# KiCad board rgbwstrip120_250_panel.kicad_pcb (continued)
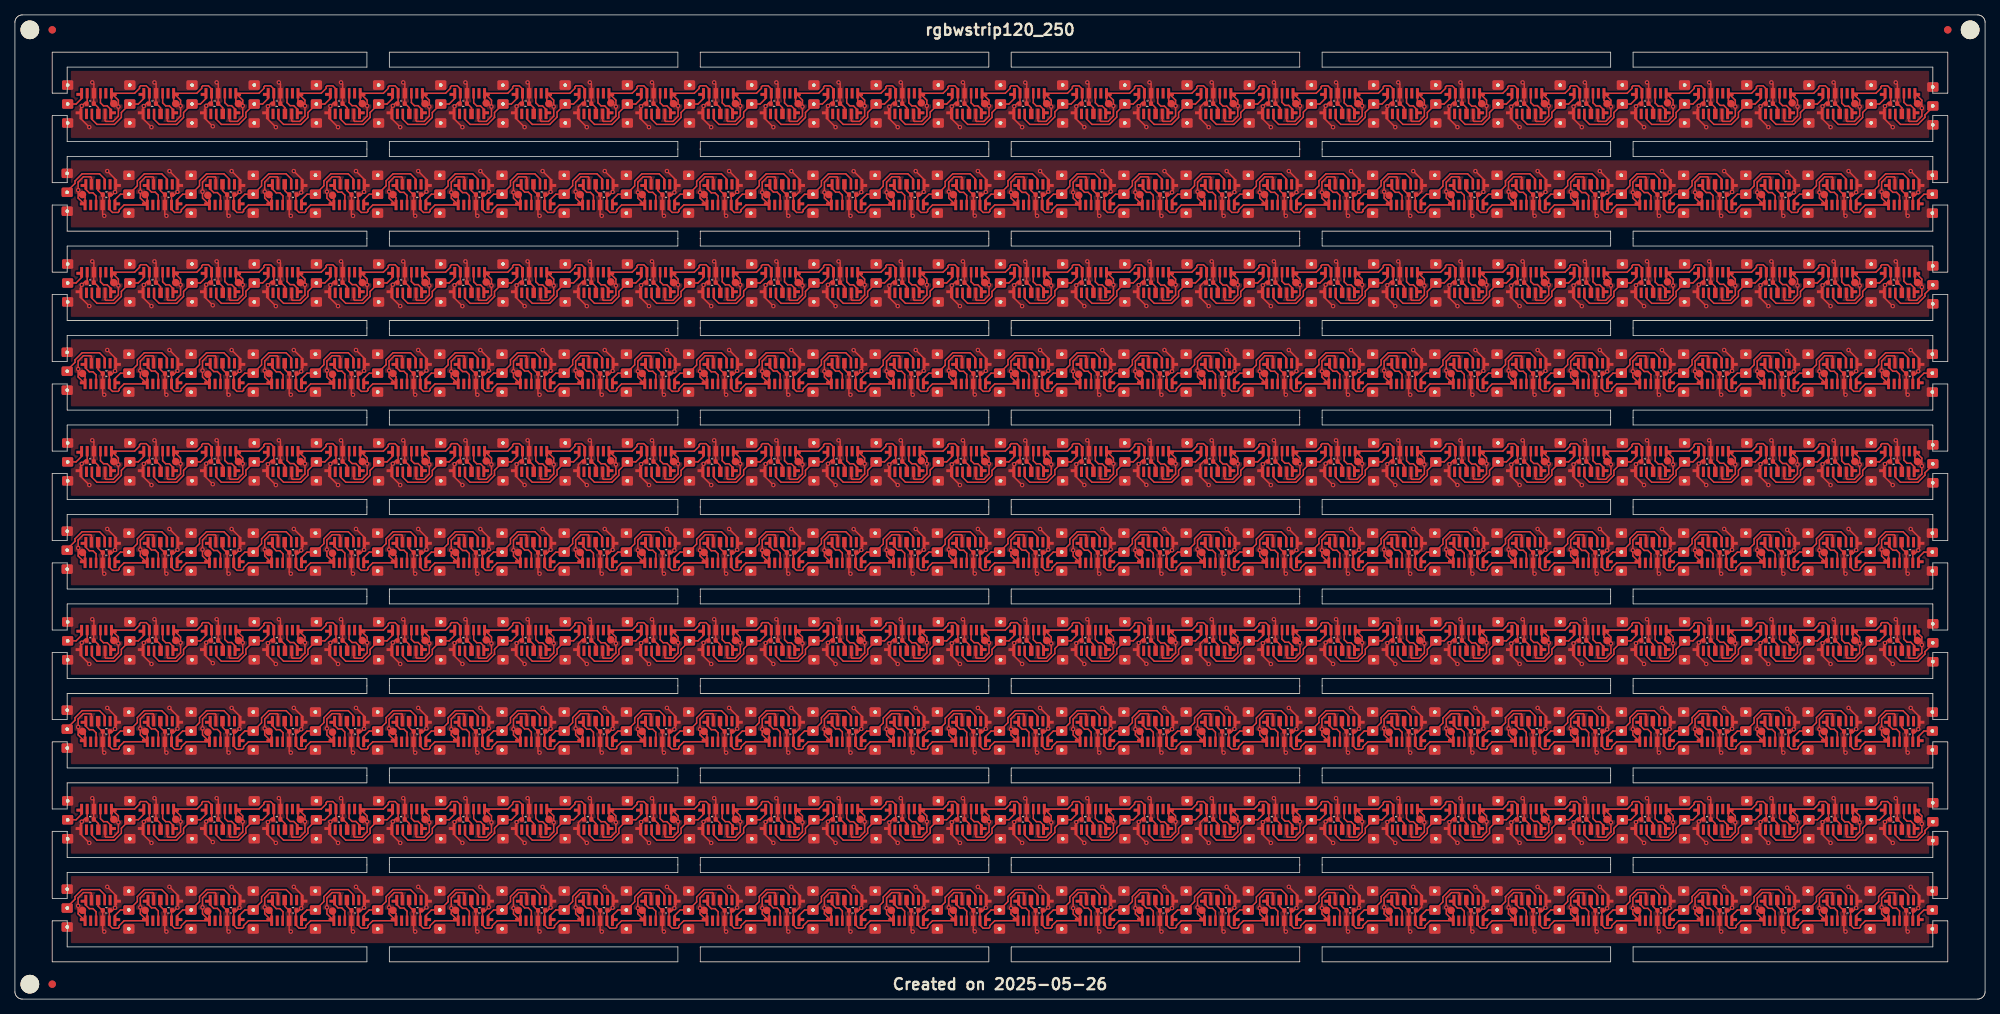
[diagram p0: board, top side]
## Routing (per net, layer and track width the routed paths; a pad name or vN(x,y) marks a point on that pad's centre or on a via; arc(x,y) is an arc through that point) (continued)
Board_5-GND: length 133.9
  Top w0.2: v1(170.3,57.05) 170.08,57.27 U22#5.4 170.1,58.53 170.1,59.83 169.48,60.45 169.48,61.16 ; v1(236.97,57.05) 236.75,57.27 U6.4 236.77,58.53 236.77,59.83 236.15,60.45 236.15,61.16 ; 202.82,61.16 202.82,60.45 203.44,59.83 203.44,58.53 U14#10.4 203.42,57.27 v1(203.64,57.05) ; v1(228.64,57.05) 228.42,57.27 U8#10.4 228.44,58.53 228.44,59.83 227.82,60.45 227.82,61.16 ; v1(120.3,57.05) 120.08,57.27 U34#3.4 120.1,58.53 120.1,59.83 119.48,60.45 119.48,61.16 ; 127.82,61.16 127.82,60.45 128.44,59.83 128.44,58.53 U32#10.4 128.42,57.27 v1(128.62,57.07) 128.64,57.05 ; 177.82,61.16 177.82,60.45 178.44,59.83 178.44,58.53 U20#6.4 178.42,57.27 v1(178.64,57.05) ; 219.48,61.16 219.48,60.45 220.1,59.83 220.1,58.53 U10#3.4 220.08,57.27 v1(220.3,57.05) ; v1(86.97,57.05) 86.75,57.27 U42#10.4 86.77,58.53 86.77,59.83 86.15,60.45 86.15,61.16 ; v1(53.64,57.05) 53.42,57.27 U50#5.4 53.44,58.53 53.44,59.83 52.82,60.45 52.82,61.16 ; v1(161.97,57.05) 161.75,57.27 U24#6.4 161.77,58.53 161.77,59.83 161.15,60.45 161.15,61.16 ; v1(153.64,57.05) 153.42,57.27 U26#5.4 153.44,58.53 153.44,59.83 152.82,60.45 152.82,61.16 ; v1(45.3,57.05) 45.08,57.27 U52#3.4 45.1,58.53 45.1,59.83 44.48,60.45 44.48,61.16 ; 136.15,61.16 136.15,60.45 136.77,59.83 136.77,58.53 U30#10.4 136.75,57.27 v1(136.97,57.05) ; 194.48,61.16 194.48,60.45 195.1,59.83 195.1,58.53 U16#10.4 195.08,57.27 v1(195.3,57.05) ; 19.48,61.16 19.48,60.45 20.1,59.83 20.1,58.53 U58#2.4 20.08,57.27 v1(20.3,57.05) 20.3,57.05 ; 27.82,61.16 27.82,60.45 28.44,59.83 28.44,58.53 U56#10.4 28.42,57.27 v1(28.64,57.05) ; 244.48,61.16 244.48,60.45 245.1,59.83 245.1,58.53 U4#5.4 245.08,57.27 v1(245.3,57.05) ; v1(186.97,57.05) 186.75,57.27 U18#7.4 186.77,58.53 186.77,59.83 186.15,60.45 186.15,61.16 ; v1(36.97,57.05) 36.75,57.27 U54.4 36.77,58.53 36.77,59.83 36.15,60.45 36.15,61.16 ; v1(211.97,57.05) 211.75,57.27 U12#7.4 211.77,58.53 211.77,59.83 211.15,60.45 211.15,61.16 ; 69.48,61.16 69.48,60.45 70.1,59.83 70.1,58.53 U46#9.4 70.08,57.27 v1(70.3,57.05) ; v1(253.64,57.05) 253.42,57.27 U2#10.4 253.44,58.53 253.44,59.83 252.82,60.45 252.82,61.16 ; v1(145.3,57.05) 145.08,57.27 U28#2.4 145.1,58.53 145.1,59.83 144.48,60.45 144.48,61.16 ; 94.48,61.16 94.48,60.45 95.1,59.83 95.1,58.53 U40#10.4 95.08,57.27 v1(95.3,57.05) ; 111.15,61.16 111.15,60.45 111.77,59.83 111.77,58.53 U36#8.4 111.75,57.27 v1(111.97,57.05) ; 11.15,61.16 11.15,60.45 11.77,59.83 11.77,58.53 U60#6.4 11.75,57.27 v1(11.97,57.05) ; 77.82,61.16 77.82,60.45 78.44,59.83 78.44,58.53 U44#2.4 78.42,57.27 v1(78.64,57.05) ; 61.15,61.16 61.15,60.45 61.77,59.83 61.77,58.53 U48#7.4 61.75,57.27 v1(61.97,57.05) ; v1(103.64,57.05) 103.42,57.27 U38#2.4 103.44,58.53 103.44,59.83 102.82,60.45 102.82,61.16
Board_5-Net-(J1-Pin_2): length 2.8
  Top w0.2: 256.84,59.95 255.81,59.95 255.07,59.21 U2#10.6
Board_5-Net-(J2-Pin_2): length 10.4
  Top w0.2: 248.5,59.95 247.47,59.95 246.73,59.21 U4#5.6 ; J2.2 249.74,61.09 249.74,61.75 250.67,62.68 253.01,62.68 253.69,62 253.69,61.28
Board_5-Net-(J3-Pin_2): length 10.4
  Top w0.2: J3#5.2 241.4,61.09 241.4,61.75 242.34,62.68 244.67,62.68 245.35,62 245.35,61.28 ; U6.6 238.4,59.21 239.14,59.95 240.17,59.95
Board_5-Net-(J4-Pin_2): length 10.4
  Top w0.2: U8#10.6 230.07,59.21 230.81,59.95 231.84,59.95 ; 237.02,61.28 237.02,62 236.34,62.68 234,62.68 233.05,61.73 233.05,61.07 J4#5.2
Board_5-Net-(J5-Pin_2): length 10.4
  Top w0.2: U10#3.6 221.73,59.21 222.47,59.95 223.5,59.95 ; 228.69,61.28 228.69,62 228.01,62.68 225.67,62.68 224.74,61.75 224.74,61.09 J5.2
Board_5-Net-(J6-Pin_2): length 10.4
  Top w0.2: 220.35,61.28 220.35,62 219.67,62.68 217.34,62.68 216.4,61.75 216.4,61.09 J6#6.2 ; 215.17,59.95 214.14,59.95 213.4,59.21 U12#7.6
Board_5-Net-(J7-Pin_2): length 10.4
  Top w0.2: 212.02,61.28 212.02,62 211.34,62.68 209,62.68 208.07,61.75 208.07,61.09 J7#5.2 ; U14#10.6 205.07,59.21 205.81,59.95 206.84,59.95
Board_5-Net-(J8-Pin_2): length 10.4
  Top w0.2: 203.69,61.28 203.69,62 203.01,62.68 200.67,62.68 199.74,61.75 199.74,61.74 199.73,61.74 199.74,61.58 199.74,61.09 J8#6.2 ; 198.5,59.95 197.47,59.95 196.73,59.21 U16#10.6
Board_5-Net-(J9-Pin_2): length 10.4
  Top w0.2: 195.35,61.28 195.35,62 194.67,62.68 192.34,62.68 191.35,61.7 191.35,61.03 J9#9.2 ; U18#7.6 188.4,59.21 189.14,59.95 190.17,59.95
Board_5-Net-(J10-Pin_2): length 10.4
  Top w0.2: 181.84,59.95 180.81,59.95 180.07,59.21 U20#6.6 ; J10#10.2 183.07,61.09 183.07,61.75 184,62.68 186.34,62.68 187.02,62 187.02,61.28
Board_5-Net-(J11-Pin_2): length 10.4
  Top w0.2: J11#2.2 174.74,61.09 174.74,61.75 175.67,62.68 178.01,62.68 178.69,62 178.69,61.28 ; U22#5.6 171.73,59.21 172.47,59.95 173.5,59.95
Board_5-Net-(J12-Pin_2): length 10.4
  Top w0.2: 165.17,59.95 164.14,59.95 163.4,59.21 U24#6.6 ; J12#3.2 166.35,61.03 166.35,61.7 167.34,62.68 169.67,62.68 170.35,62 170.35,61.28
Board_5-Net-(J13-Pin_2): length 10.4
  Top w0.2: J13#4.2 158.07,61.09 158.07,61.75 159,62.68 161.34,62.68 162.02,62 162.02,61.28 ; U26#5.6 155.07,59.21 155.81,59.95 156.84,59.95
Board_5-Net-(J14-Pin_2): length 10.4
  Top w0.2: 148.5,59.95 147.47,59.95 146.73,59.21 U28#2.6 ; 153.69,61.28 153.69,62 153.01,62.68 150.67,62.68 150.67,62.68 149.74,61.75 149.74,61.09 J14#8.2
Board_5-Net-(J15-Pin_2): length 10.4
  Top w0.2: 140.17,59.95 139.14,59.95 138.4,59.21 U30#10.6 ; J15.2 141.35,61.03 141.35,61.7 142.34,62.68 144.67,62.68 145.35,62 145.35,61.28
Board_5-Net-(J16-Pin_2): length 10.4
  Top w0.2: 131.84,59.95 130.81,59.95 130.07,59.21 U32#10.6 ; J16#4.2 133.07,61.09 133.07,61.75 134,62.68 136.34,62.68 137.02,62 137.02,61.28
Board_5-Net-(J17-Pin_2): length 10.4
  Top w0.2: 128.69,61.28 128.69,62 128.01,62.68 125.67,62.68 124.65,61.67 124.65,61 J17#3.2 ; U34#3.6 121.73,59.21 122.47,59.95 123.5,59.95
Board_5-Net-(J18-Pin_2): length 10.4
  Top w0.2: 120.35,61.28 120.35,62 119.67,62.68 117.34,62.68 116.35,61.7 116.35,61.03 J18#4.2 ; 115.17,59.95 114.14,59.95 113.4,59.21 U36#8.6
Board_5-Net-(J19-Pin_2): length 10.4
  Top w0.2: 106.84,59.95 105.81,59.95 105.07,59.21 U38#2.6 ; 112.02,61.28 112.02,62 111.34,62.68 109,62.68 108.07,61.75 108.07,61.09 J19#4.2
Board_5-Net-(J20-Pin_2): length 10.4
  Top w0.2: U40#10.6 96.73,59.21 97.47,59.95 98.5,59.95 ; 103.69,61.28 103.69,62 103.01,62.68 100.67,62.68 99.74,61.75 99.74,61.09 J20#3.2
Board_5-Net-(J21-Pin_2): length 10.4
  Top w0.2: 90.17,59.95 89.14,59.95 88.4,59.21 U42#10.6 ; J21#6.2 91.35,61.03 91.35,61.7 92.34,62.68 94.67,62.68 95.35,62 95.35,61.28
Board_5-Net-(J22-Pin_2): length 10.4
  Top w0.2: 87.02,61.28 87.02,62 86.34,62.68 84,62.68 83.05,61.73 83.05,61.07 J22#3.2 ; 81.84,59.95 80.81,59.95 80.07,59.21 U44#2.6
Board_5-Net-(J23-Pin_2): length 10.4
  Top w0.2: U46#9.6 71.73,59.21 72.47,59.95 73.5,59.95 ; 78.69,61.28 78.69,62 78.01,62.68 75.67,62.68 74.74,61.75 74.74,61.09 J23#5.2
Board_5-Net-(J24-Pin_2): length 10.4
  Top w0.2: U48#7.6 63.4,59.21 64.14,59.95 65.17,59.95 ; 70.35,61.28 70.35,62 69.67,62.68 67.34,62.68 66.4,61.75 66.4,61.09 J24#6.2
Board_5-Net-(J25-Pin_2): length 10.4
  Top w0.2: 62.02,61.28 62.02,62 61.34,62.68 59,62.68 58.05,61.73 58.05,61.07 J25#3.2 ; 56.84,59.95 55.81,59.95 55.07,59.21 U50#5.6
Board_5-Net-(J26-Pin_2): length 10.4
  Top w0.2: 48.5,59.95 47.47,59.95 46.73,59.21 U52#3.6 ; J26#9.2 49.74,61.09 49.74,61.75 50.67,62.68 53.01,62.68 53.69,62 53.69,61.28
Board_5-Net-(J27-Pin_2): length 10.4
  Top w0.2: 45.35,61.28 45.35,62 44.67,62.68 42.34,62.68 41.4,61.75 41.4,61.09 J27#7.2 ; 40.17,59.95 39.14,59.95 38.4,59.21 U54.6
Board_5-Net-(J28-Pin_2): length 10.4
  Top w0.2: 31.84,59.95 30.81,59.95 30.07,59.21 U56#10.6 ; J28#4.2 33.05,61.07 33.05,61.73 34,62.68 36.34,62.68 37.02,62 37.02,61.28
Board_5-Net-(J29-Pin_2): length 10.4
  Top w0.2: 23.5,59.95 22.47,59.95 21.73,59.21 U58#2.6 ; J29#10.2 24.74,61.09 24.74,61.75 25.67,62.68 28.01,62.68 28.69,62 28.69,61.28
Board_5-Net-(J30-Pin_2): length 10.4
  Top w0.2: U60#6.6 13.4,59.21 14.14,59.95 15.17,59.95 ; 20.35,61.28 20.35,62 19.67,62.68 17.34,62.68 16.4,61.75 16.4,61.09 J30#9.2
Board_5-Net-(J31-Pin_2): length 7.2
  Top w0.2: 12.02,61.28 12.02,62 11.34,62.68 9,62.68 8.05,61.73 8.05,61.4 7.4,60.75 7.4,60.21
Board_5-Net-(U1-DIN): length 3.5
  Top w0.2: 252.54,59.08 252.54,59.79 252.13,60.2 251.63,60.2 251.17,60.67 251.17,61.73
Board_5-Net-(U3-DIN): length 3.5
  Top w0.2: 244.21,59.08 244.21,59.79 243.8,60.2 243.3,60.2 242.83,60.67 242.83,61.73
Board_5-Net-(U5-DIN): length 3.5
  Top w0.2: 234.5,61.7 234.5,60.64 234.97,60.17 235.47,60.17 235.88,59.76 235.88,59.05
Board_5-Net-(U7-DIN): length 3.5
  Top w0.2: 227.54,59.05 227.54,59.76 227.13,60.17 226.63,60.17 226.17,60.64 226.17,61.7
Board_5-Net-(U10-DOUT): length 3.5
  Top w0.2: 217.85,61.7 217.85,60.64 218.32,60.17 218.82,60.17 219.22,59.76 219.22,59.05
Board_5-Net-(U11-DIN): length 3.5
  Top w0.2: 209.5,61.7 209.5,60.64 209.97,60.17 210.47,60.17 210.88,59.76 210.88,59.05
Board_5-Net-(U13-DIN): length 3.5
  Top w0.2: 201.15,61.73 201.15,60.67 201.62,60.2 202.12,60.2 202.53,59.79 202.53,59.08
Board_5-Net-(U15-DIN): length 3.5
  Top w0.2: 192.83,61.73 192.83,60.67 193.3,60.2 193.8,60.2 194.21,59.79 194.21,59.08
Board_5-Net-(U17-DIN): length 3.5
  Top w0.2: 184.5,61.73 184.5,60.67 184.97,60.2 185.47,60.2 185.88,59.79 185.88,59.08
Board_5-Net-(U19-DIN): length 3.5
  Top w0.2: 177.54,59.08 177.54,59.79 177.13,60.2 176.63,60.2 176.17,60.67 176.17,61.73
Board_5-Net-(U21-DIN): length 3.5
  Top w0.2: 169.22,59.08 169.22,59.79 168.82,60.2 168.32,60.2 167.85,60.67 167.85,61.73
Board_5-Net-(U23-DIN): length 3.5
  Top w0.2: 159.5,61.73 159.5,60.67 159.97,60.2 160.47,60.2 160.88,59.79 160.88,59.08
Board_5-Net-(U25-DIN): length 3.5
  Top w0.2: 152.54,59.08 152.54,59.79 152.13,60.2 151.63,60.2 151.17,60.67 151.17,61.73
Board_5-Net-(U27-DIN): length 3.5
  Top w0.2: 142.85,61.73 142.85,60.67 143.32,60.2 143.82,60.2 144.22,59.79 144.22,59.08
Board_5-Net-(U29-DIN): length 3.5
  Top w0.2: 134.5,61.73 134.5,60.67 134.97,60.2 135.47,60.2 135.88,59.79 135.88,59.08
Board_5-Net-(U31-DIN): length 3.5
  Top w0.2: 126.17,61.73 126.17,60.67 126.63,60.2 127.13,60.2 127.54,59.79 127.54,59.08
Board_5-Net-(U33-DIN): length 3.5
  Top w0.2: 117.85,61.73 117.85,60.67 118.32,60.2 118.82,60.2 119.22,59.79 119.22,59.08
Board_5-Net-(U35-DIN): length 3.5
  Top w0.2: 109.5,61.76 109.5,60.7 109.97,60.23 110.47,60.23 110.88,59.82 110.88,59.11
Board_5-Net-(U37-DIN): length 3.5
  Top w0.2: 102.54,59.11 102.54,59.82 102.13,60.23 101.63,60.23 101.17,60.7 101.17,61.76
Board_5-Net-(U39-DIN): length 3.5
  Top w0.2: 92.85,61.66 92.85,60.6 93.32,60.13 93.82,60.13 94.22,59.72 94.22,59.01
Board_5-Net-(U41-DIN): length 3.5
  Top w0.2: 84.5,61.73 84.5,60.67 84.97,60.2 85.47,60.2 85.88,59.79 85.88,59.08
Board_5-Net-(U43-DIN): length 3.5
  Top w0.2: 77.53,59.08 77.53,59.79 77.12,60.2 76.62,60.2 76.15,60.67 76.15,61.73
Board_5-Net-(U45-DIN): length 3.5
  Top w0.2: 69.21,59.11 69.21,59.82 68.8,60.23 68.3,60.23 67.83,60.7 67.83,61.76
Board_5-Net-(U47-DIN): length 3.5
  Top w0.2: 60.89,59.04 60.89,59.76 60.48,60.17 59.98,60.17 59.52,60.63 59.52,61.69
Board_5-Net-(U49-DIN): length 3.5
  Top w0.2: 51.17,61.73 51.17,60.67 51.63,60.2 52.13,60.2 52.54,59.79 52.54,59.08
Board_5-Net-(U51-DIN): length 3.5
  Top w0.2: 44.21,59.11 44.21,59.82 43.8,60.23 43.3,60.23 42.83,60.7 42.83,61.76
Board_5-Net-(U53-DIN): length 3.5
  Top w0.2: 35.92,59.01 35.92,59.72 35.52,60.13 35.02,60.13 34.55,60.6 34.55,61.66
Board_5-Net-(U55-DIN): length 3.5
  Top w0.2: 27.54,59.04 27.54,59.76 27.13,60.17 26.63,60.17 26.17,60.63 26.17,61.69
Board_5-Net-(U57-DIN): length 3.5
  Top w0.2: 19.21,59.11 19.21,59.82 18.8,60.23 18.3,60.23 17.83,60.7 17.83,61.76
Board_5-Net-(U59-DIN): length 3.5
  Top w0.2: 9.5,61.66 9.5,60.6 9.97,60.13 10.47,60.13 10.88,59.72 10.88,59.01
Board_6-+3.3V: length 592.6
  Top w0.2: 29.74,49.43 29.68,49.49 ; U25#3.5 112.08,45.82 112.19,45.72 113.16,45.72 113.86,46.42 v1(113.86,47.8) 113.86,48.56 U26#3.1 ; 113.08,49.43 113.02,49.49 ; K5#3.1 162.93,48.42 U38#10.1 ; 38.25,49.17 U8.1 ; U8.1 38.86,48.56 v1(38.86,47.8) 38.86,46.42 38.16,45.72 37.19,45.72 37.08,45.82 U7#2.5 ; U8.1 37.93,48.42 K21.1 ; U8.1 41.04,49.49 41.7,50.15 41.7,50.35 41.85,50.5 42.59,50.5 43.02,50.07 U10#8.5 43.02,48.25 42.94,48.17 42.66,48.17 v1(42.27,47.78) 42.17,47.68 42.17,46.84 ; 17.17,46.84 17.17,47.68 v1(17.27,47.78) 17.66,48.17 17.94,48.17 18.02,48.25 U4#9.5 18.02,50.07 17.59,50.5 16.85,50.5 16.7,50.35 16.7,50.15 16.04,49.49 U2#4.1 ; U14#2.1 63.86,48.56 v1(63.85,47.7) ; U14#2.1 66.04,49.49 66.7,50.15 66.7,50.35 66.85,50.5 67.59,50.5 68.02,50.07 U16#9.5 68.02,48.25 67.94,48.17 67.66,48.17 v1(67.22,47.73) 67.17,47.68 67.17,46.84 ; U14#2.1 62.93,48.38 K27.1 63.38,48.17 v1(63.85,47.7) ; U11#6.1 50.5,46.08 v1(51.63,44.95) ; 254.74,49.43 254.68,49.49 ; v1(34.96,44.95) 33.83,46.08 U7#2.1 ; U59#8.1 250.5,46.08 v1(251.63,44.95) ; U46#7.1 197.2,48.56 v1(197.2,47.8) 197.2,46.42 196.49,45.72 195.52,45.72 195.42,45.82 U45#7.5 ; U46#7.1 196.27,48.38 K23.1 ; U46#7.1 199.37,49.49 200.03,50.15 200.03,50.35 200.18,50.5 200.93,50.5 201.35,50.07 U48#9.5 201.35,48.25 201.27,48.17 200.99,48.17 v1(200.5,47.68) 200.5,46.84 ; 163.08,49.43 163.02,49.49 ; U24#9.1 107.71,49.49 108.36,50.15 108.36,50.35 108.51,50.5 109.26,50.5 109.68,50.07 U26#3.5 109.68,48.25 109.6,48.17 109.32,48.17 v1(108.95,47.8) 108.83,47.68 108.83,46.84 ; U24#9.1 104.6,48.45 K17#9.1 ; U24#9.1 105.53,48.56 v1(105.53,47.7) 105.53,46.42 104.83,45.72 103.86,45.72 103.75,45.82 U23#4.5 ; U41#3.5 178.75,45.82 178.86,45.72 179.83,45.72 180.53,46.42 v1(180.53,47.8) 180.53,48.56 U42#2.1 ; U28#7.1 122.2,48.56 v1(122.2,47.8) 122.2,46.42 121.49,45.72 120.52,45.72 120.42,45.82 U27#7.5 ; U28#7.1 121.27,48.38 K13#7.1 ; U28#7.1 124.37,49.49 125.03,50.15 125.03,50.35 125.18,50.5 125.93,50.5 126.35,50.07 U30#6.5 126.35,48.25 126.27,48.17 125.99,48.17 v1(125.54,47.71) 125.5,47.68 125.5,46.84 ; U22#6.1 97.2,48.56 v1(97.2,47.8) 97.2,46.42 96.49,45.72 95.52,45.72 95.42,45.82 U21#10.5 ; U22#6.1 96.27,48.38 K22#5.1 ; U22#6.1 99.37,49.49 100.03,50.15 100.03,50.35 100.18,50.5 100.93,50.5 101.35,50.07 U24#9.5 101.35,48.25 101.27,48.17 100.99,48.17 v1(100.59,47.76) 100.5,47.68 100.5,46.84 ; 104.74,49.43 104.68,49.49 ; K18#10.1 129.6,48.45 U30#6.1 ; U50#2.1 213.86,48.56 v1(213.86,47.7) 213.86,46.42 213.16,45.72 212.19,45.72 212.08,45.82 U49#10.5 ; U50#2.1 212.93,48.52 K15#8.1 ; U50#2.1 216.04,49.49 216.7,50.15 216.7,50.35 216.85,50.5 217.59,50.5 218.02,50.07 U52#10.5 218.02,48.25 217.94,48.17 217.66,48.17 v1(217.22,47.73) 217.17,47.68 217.17,46.84 ; v1(118.3,44.95) 117.17,46.08 U27#7.1 ; U18#4.1 82.71,49.49 83.36,50.15 83.36,50.35 83.51,50.5 84.26,50.5 84.68,50.07 U20#2.5 84.68,48.25 84.6,48.17 84.32,48.17 v1(83.9,47.75) 83.83,47.68 83.83,46.84 ; U18#4.1 80.53,48.56 v1(80.53,47.7) ; U18#4.1 79.6,48.45 K7#7.1 80.03,48.2 v1(80.53,47.7) ; K1#7.1 12.93,48.42 U2#4.1 ; U38#10.1 166.04,49.49 166.7,50.15 166.7,50.35 166.85,50.5 167.59,50.5 168.02,50.07 U40.5 168.02,48.25 167.94,48.17 167.66,48.17 v1(167.22,47.73) 167.17,47.68 167.17,46.84 ; U38#10.1 163.86,48.56 v1(163.86,47.8) 163.86,46.42 163.16,45.72 162.19,45.72 162.08,45.82 U37#4.5 ; 54.74,49.43 54.68,49.49 ; U32#6.1 137.93,48.42 K8.1 ; U32#6.1 138.86,48.56 v1(138.86,47.7) 138.86,46.42 138.16,45.72 137.19,45.72 137.08,45.82 U31#4.5 ; U32#6.1 141.04,49.49 141.7,50.15 141.7,50.35 141.85,50.5 142.59,50.5 143.02,50.07 U34#4.5 143.02,48.25 142.94,48.17 142.66,48.17 v1(142.22,47.73) 142.17,47.68 142.17,46.84 ; v1(101.63,44.95) 100.5,46.08 U23#4.1 ; v1(76.63,44.95) 75.5,46.08 U17#2.1 ; U35#4.5 153.75,45.82 153.86,45.72 154.83,45.72 155.53,46.42 v1(155.53,47.8) 155.53,48.56 U36#2.1 ; 38.08,49.43 38.02,49.49 ; 196.41,49.43 196.35,49.49 ; U36#2.1 154.6,48.45 K30#5.1 ; U36#2.1 157.71,49.49 158.36,50.15 158.36,50.35 158.51,50.5 159.26,50.5 159.68,50.07 U38#10.5 159.68,48.25 159.6,48.17 159.32,48.17 158.83,47.68 158.83,46.84 ; v1(159.96,44.95) 158.83,46.08 U37#4.1 ; 79.74,49.43 79.68,49.49 ; U19.1 83.83,46.08 v1(84.96,44.95) ; U39.1 167.17,46.08 v1(168.3,44.95) ; K9#5.1 171.27,48.48 U40.1 ; U6#7.1 32.71,49.49 33.36,50.15 33.36,50.35 33.51,50.5 34.26,50.5 34.68,50.07 U8.5 34.68,48.25 34.6,48.17 34.32,48.17 v1(33.9,47.75) 33.83,47.68 33.83,46.84 ; U6#7.1 29.6,48.45 K26#8.1 ; U6#7.1 30.53,48.56 v1(30.53,47.8) 30.53,46.42 29.83,45.72 28.86,45.72 28.75,45.82 U5#9.5 ; 183.83,46.84 183.83,47.68 v1(183.9,47.75) 184.32,48.17 184.6,48.17 184.68,48.25 U44#5.5 184.68,50.07 184.26,50.5 183.51,50.5 183.36,50.35 183.36,50.15 182.71,49.49 U42#2.1 ; U34#4.1 147.2,48.56 v1(147.2,47.8) 147.2,46.42 146.49,45.72 145.52,45.72 145.42,45.82 U33#4.5 ; U34#4.1 146.27,48.38 K4#6.1 ; U34#4.1 149.37,49.49 150.03,50.15 150.03,50.35 150.18,50.5 150.93,50.5 151.35,50.07 U36#2.5 151.35,48.25 151.27,48.17 150.99,48.17 v1(150.59,47.76) 150.5,47.68 150.5,46.84 ; U41#3.1 175.5,46.08 v1(176.63,44.95) ; 146.41,49.43 146.35,49.49 ; 71.41,49.43 71.35,49.49 ; 92.17,46.84 92.17,47.68 v1(92.27,47.78) 92.66,48.17 92.94,48.17 93.02,48.25 U22#6.5 93.02,50.07 92.59,50.5 91.85,50.5 91.7,50.35 91.7,50.15 91.04,49.49 U20#2.1 ; U4#9.1 21.27,48.38 K6#6.1 ; U4#9.1 21.55,49.21 ; U4#9.1 22.2,48.56 v1(22.2,47.8) 22.2,46.42 21.49,45.72 20.52,45.72 20.42,45.82 U3#4.5 ; U4#9.1 24.37,49.49 25.03,50.15 25.03,50.35 25.18,50.5 25.93,50.5 26.35,50.07 U6#7.5 26.35,48.25 26.27,48.17 25.99,48.17 v1(25.64,47.81) 25.5,47.68 25.5,46.84 ; U58#10.1 249.37,49.49 250.03,50.15 250.03,50.35 250.18,50.5 250.93,50.5 251.35,50.07 U60#4.5 251.35,48.25 251.27,48.17 250.99,48.17 v1(250.59,47.76) 250.5,47.68 250.5,46.84 ; U58#10.1 247.2,48.56 v1(247.2,47.7) 247.2,46.42 246.49,45.72 245.52,45.72 245.42,45.82 U57#8.5 ; U58#10.1 246.27,48.38 K25#9.1 ; U10#8.1 49.37,49.49 50.03,50.15 50.03,50.35 50.18,50.5 50.93,50.5 51.35,50.07 U12#4.5 51.35,48.25 51.27,48.17 50.99,48.17 v1(50.64,47.81) 50.5,47.68 50.5,46.84 ; U10#8.1 46.27,48.38 K16#7.1 ; U10#8.1 47.2,48.56 v1(47.2,47.8) 47.2,46.42 46.49,45.72 45.52,45.72 45.42,45.82 U9#9.5 ; v1(218.3,44.95) 217.17,46.08 U51#5.1 ; v1(68.3,44.95) 67.17,46.08 U15#8.1 ; 179.74,49.43 179.68,49.49 ; v1(209.96,44.95) 208.83,46.08 U49#10.1 ; v1(59.96,44.95) 58.83,46.08 U13#6.1 ; 58.83,46.84 58.83,47.68 v1(58.9,47.75) 59.32,48.17 59.6,48.17 59.68,48.25 U14#2.5 59.68,50.07 59.26,50.5 58.51,50.5 58.36,50.35 58.36,50.15 57.71,49.49 U12#4.1 ; U47#6.1 200.5,46.08 v1(201.63,44.95) ; U52#10.1 222.2,48.56 v1(222.2,47.7) 222.2,46.42 221.49,45.72 220.52,45.72 220.42,45.82 U51#5.5 ; U52#10.1 224.37,49.49 225.03,50.15 225.03,50.35 225.18,50.5 225.93,50.5 226.35,50.07 U54#10.5 226.35,48.25 226.27,48.17 225.99,48.17 v1(225.64,47.81) 225.5,47.68 225.5,46.84 ; U52#10.1 221.27,48.38 K19#7.1 ; v1(126.63,44.95) 125.5,46.08 U29#9.1 ; v1(63.85,47.7) 63.86,46.42 63.16,45.72 62.19,45.72 62.08,45.82 U13#6.5 ; 133.83,46.84 133.83,47.68 v1(133.9,47.75) 134.32,48.17 134.6,48.17 134.68,48.25 U32#6.5 134.68,50.07 134.26,50.5 133.51,50.5 133.36,50.35 133.36,50.15 132.71,49.49 U30#6.1 ; U45#7.1 192.17,46.08 v1(193.3,44.95) ; U53#4.5 228.75,45.82 228.86,45.72 229.83,45.72 230.53,46.42 v1(230.53,47.7) 230.53,48.56 U54#10.1 ; U20#2.1 88.86,48.56 v1(88.86,47.8) 88.86,46.42 88.16,45.72 87.19,45.72 87.08,45.82 U19.5 ; U20#2.1 87.93,48.42 K12#5.1 ; U30#6.1 130.53,48.56 v1(130.53,47.8) 130.53,46.42 129.83,45.72 128.86,45.72 128.75,45.82 U29#9.5 ; U39.5 170.42,45.82 170.52,45.72 171.49,45.72 172.2,46.42 v1(172.2,47.8) 172.2,48.56 U40.1 ; U44#5.1 188.86,48.56 v1(188.86,47.7) 188.86,46.42 188.16,45.72 187.19,45.72 187.08,45.82 U43#4.5 ; U44#5.1 187.93,48.42 K14#8.1 ; U44#5.1 191.04,49.49 191.7,50.15 191.7,50.35 191.85,50.5 192.59,50.5 193.02,50.07 U46#7.5 193.02,48.25 192.94,48.17 192.66,48.17 v1(192.22,47.73) 192.17,47.68 192.17,46.84 ; U54#10.1 229.6,48.45 K24#9.1 ; U54#10.1 232.71,49.49 233.36,50.15 233.36,50.35 233.51,50.5 234.26,50.5 234.68,50.07 U56#9.5 234.68,48.25 234.6,48.17 234.32,48.17 v1(233.9,47.75) 233.83,47.68 233.83,46.84 ; U16#9.1 72.2,48.56 v1(72.2,47.7) 72.2,46.42 71.49,45.72 70.52,45.72 70.42,45.82 U15#8.5 ; U16#9.1 74.37,49.49 75.03,50.15 75.03,50.35 75.18,50.5 75.93,50.5 76.35,50.07 U18#4.5 76.35,48.25 76.27,48.17 75.99,48.17 75.5,47.68 75.5,46.84 ; U16#9.1 71.27,48.38 K2#4.1 ; U12#4.1 55.53,48.56 v1(55.53,47.7) 55.53,46.42 54.83,45.72 53.86,45.72 53.75,45.82 U11#6.5 ; U12#4.1 54.6,48.45 K11#3.1 ; v1(143.3,44.95) 142.17,46.08 U33#4.1 ; U40.1 174.37,49.49 175.03,50.15 175.03,50.35 175.18,50.5 175.93,50.5 176.35,50.07 U42#2.5 176.35,48.25 176.27,48.17 175.99,48.17 v1(175.64,47.81) 175.5,47.68 175.5,46.84 ; U26#3.1 112.93,48.42 K3#4.1 ; U26#3.1 116.04,49.49 116.7,50.15 116.7,50.35 116.85,50.5 117.59,50.5 118.02,50.07 U28#7.5 118.02,48.25 117.94,48.17 117.66,48.17 v1(117.17,47.68) 117.17,47.68 117.17,46.84 ; U42#2.1 179.6,48.45 K10#8.1 ; v1(134.96,44.95) 133.83,46.08 U31#4.1 ; U35#4.1 150.5,46.08 v1(151.61,44.96) 151.63,44.95 ; U48#9.1 205.53,48.56 v1(205.53,47.8) 205.53,46.42 204.83,45.72 203.86,45.72 203.75,45.82 U47#6.5 ; U48#9.1 207.71,49.49 208.36,50.15 208.36,50.35 208.51,50.5 209.26,50.5 209.68,50.07 U50#2.5 209.68,48.25 209.6,48.17 209.32,48.17 v1(208.85,47.7) 208.83,47.68 208.83,46.84 ; U48#9.1 204.6,48.45 K28#5.1 ; U56#9.1 238.86,48.56 v1(238.86,47.7) 238.86,46.42 238.16,45.72 237.19,45.72 237.08,45.82 U55#10.5 ; U56#9.1 241.04,49.49 241.7,50.15 241.7,50.35 241.85,50.5 242.59,50.5 243.02,50.07 U58#10.5 243.02,48.25 242.94,48.17 242.66,48.17 v1(242.22,47.73) 242.17,47.68 242.17,46.84 ; U56#9.1 237.93,48.42 K20#7.1 ; v1(80.53,47.7) 80.53,46.42 79.83,45.72 78.86,45.72 78.75,45.82 U17#2.5 ; U59#8.5 253.75,45.82 253.86,45.72 254.83,45.72 255.53,46.42 v1(255.53,47.5) 255.53,48.56 U60#4.1 254.6,48.45 K29.1 ; 88.08,49.43 88.02,49.49 ; v1(109.96,44.95) 108.83,46.08 U25#3.1 ; U55#10.1 233.83,46.08 v1(234.96,44.95) ; 13.25,49.18 U2#4.1 ; U2#4.1 13.86,48.56 v1(13.86,47.7) 13.86,46.42 13.16,45.72 12.19,45.72 12.08,45.82 U1#5.5 ; 154.74,49.43 154.68,49.49 ; 8.83,46.84 8.83,47.68 v1(8.95,47.8) 9.32,48.17 9.6,48.17 9.68,48.25 U2#4.5 9.68,50.07 ; U9#9.1 42.17,46.08 v1(43.3,44.95) ; 171.41,49.43 171.35,49.49 ; 221.41,49.43 221.35,49.49 ; 246.41,49.43 246.35,49.49 ; 188.08,49.43 188.02,49.49 ; v1(18.3,44.95) 17.17,46.08 U3#4.1 ; 138.08,49.43 138.02,49.49 ; U53#4.1 225.5,46.08 v1(226.63,44.95) ; 121.41,49.43 121.35,49.49 ; v1(243.3,44.95) 242.17,46.08 U57#8.1 ; 238.08,49.43 238.02,49.49 ; v1(9.96,44.95) 8.83,46.08 U1#5.1 ; 96.41,49.43 96.35,49.49 ; 13.08,49.43 13.02,49.49 ; 63.08,49.43 63.02,49.49 ; v1(93.3,44.95) 92.17,46.08 U21#10.1 ; 46.41,49.43 46.35,49.49 ; v1(184.96,44.95) 183.83,46.08 U43#4.1 ; 21.41,49.43 21.35,49.49 ; 213.08,49.43 213.02,49.49 ; 204.74,49.43 204.68,49.49 ; U5#9.1 25.5,46.08 v1(26.51,45.06) 26.63,44.95 ; 229.74,49.43 229.68,49.49 ; 129.74,49.43 129.68,49.49
